# Altium PCB DISCARD_ESP32-DevKit-iteration3.PcbDoc (continued)
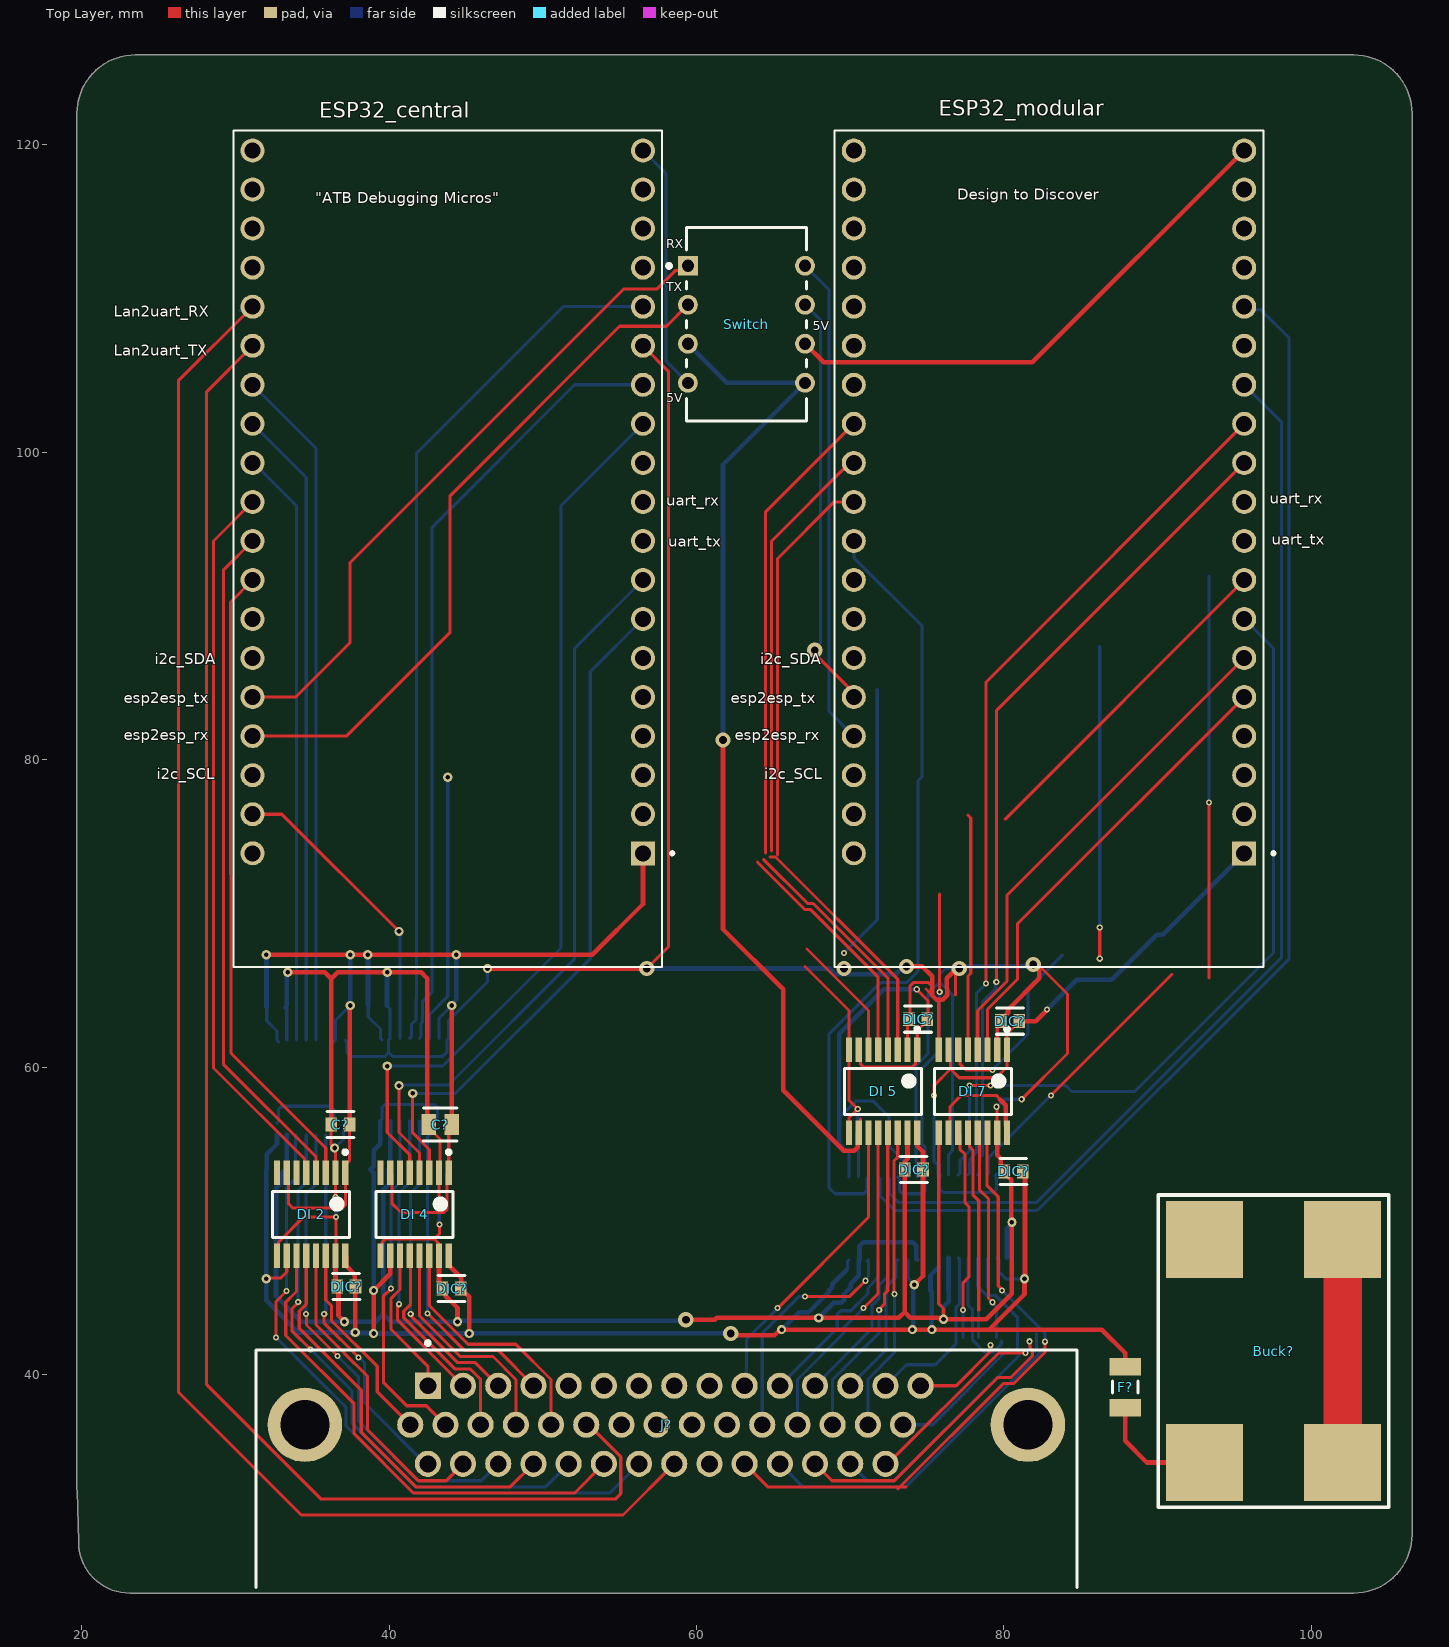
[diagram p0: Top Layer view]
## Nets (pads, with @x,y where several pads share a name; then routed paths per layer and width w, separated by ;. In a path a pad name is that pad's centre, name@x,y a point inside that pad or via, vN(x,y) a via of type N, cw(c..) or ccw(c..) an arc to the next point about the centre after c; other vN are vias at no path point)
GND: "DI 1.2" "DI 1.8" "DI 1.9" "DI 1.15" "DI 2.2" "DI 2.8" "DI 2.9" "DI 2.15" "DI 3.2" "DI 3.8" "DI 3.9" "DI 3.15" "DI 4.2" "DI 4.8" "DI 4.9" "DI 4.15" "DI 5.2" "DI 5.8" "DI 5.9" "DI 5.15" "DI 6.2" "DI 6.8" "DI 6.9" "DI 6.15" "DI 7.2" "DI 7.8" "DI 7.9" "DI 7.15" "DI 8.2" "DI 8.8" "DI 8.9" "DI 8.15" Buck?.2 Buck?.4 C?.2 DIC?.2 ESP32_central.J2-14 J?.7 J?.23 | length 391
  Top Layer w0.2: 32.703,47.719 32.808,47.824 32.808,48.618 34.449,50.26 v1(36.544,50.26) 36.544,47.751 36.512,47.719 ; C?.2@36.23,56.261 36.23,54.956 v2(36.449,54.737) 36.512,54.673 36.512,53.119 36.518,53.114 v1(36.518,51.538) ; 39.433,47.719 39.539,47.824 39.539,48.618 39.739,48.819 42.938,48.819 ; 39.433,53.119 39.433,53.714 ; C?.2@42.569,56.261 42.569,56.061 43.307,55.323 43.307,53.182 43.243,53.119 ; v1(43.249,51.03) 43.249,52.606 ; 43.275,47.719 43.275,48.477 43.114,48.639 43.114,48.643 42.938,48.819 ; v1(43.275,49.752) 43.275,49.156 42.938,48.819 ; ESP32_central.J2-14 58.166,105.283 58.166,67.818 v3(56.769,66.421) ; 67.056,66.548 69.913,63.691 69.913,61.12 69.913,57.848 v1(70.486,57.276) 69.913,56.704 69.913,55.72 ; 73.724,61.12 73.724,63.02 73.822,63.119 73.875,63.172 73.875,65.254 74.138,65.517 75.06,65.517 75.335,65.242 ; 74.93,65.082 75.301,64.711 ; 75.613,64.398 75.615,64.397 75.727,64.285 ; 75.727,64.447 75.727,64.397 75.727,64.285 ; 75.755,61.12 75.755,64.228 75.727,64.256 75.727,64.285 ; 75.861,55.825 75.755,55.72 75.755,44.607 76.067,44.295 v2(76.067,43.592) ; 76.835,64.701 76.835,66.167 v3(77.089,66.421) ; v1(79.52,57.422) 79.543,57.399 79.543,55.743 79.566,55.72 ; 79.566,61.12 79.566,62.766 DIC?.2@79.791,62.992 ; DIC?.2@80.01,53.213 DIC?.2@80.01,53.288 ; v1(81.153,57.912) 84.133,60.892 84.133,64.763 v3@82.348,66.548
  Top Layer w0.3: v2(33.401,66.167) 35.814,66.167 36.23,65.751 ; C?.2@36.23,56.261 36.23,65.751 ; 36.512,47.719 36.512,45.72 36.53,45.72 36.703,45.547 36.703,43.819 37.08,43.442 v2(37.092,43.442) ; C?.2@42.569,56.261 42.487,56.343 42.487,65.786 42.464,65.786 42.083,66.167 v2(39.878,66.167) 36.646,66.167 36.23,65.751 ; 43.243,47.719 43.243,45.38 43.307,45.317 DIC?.2@43.464,45.317 ; DIC?.2@43.469,45.593 43.469,45.317 43.67,45.317 43.694,45.293 43.694,45.092 44.45,44.336 v2(44.45,43.434) ; v2(46.397,66.421) v3(56.769,66.421) ; J?.7@56.259,39.189 J?.7 ; J?.23@57.136,37.001 J?.23 ; v3(59.309,43.561) 61.185,43.561 61.312,43.688 v2(67.945,43.688) 73.152,43.688 73.533,44.069 ; v3(73.66,66.548) 74.693,66.548 75.335,65.906 75.335,65.242 75.335,65.12 75.319,65.104 75.319,64.69 75.612,64.397 75.615,64.397 75.727,64.397 76.026,64.397 76.319,64.69 76.319,65.104 76.269,65.154 76.269,65.772 76.918,66.421 v3(77.089,66.421) ; 73.724,55.466 73.724,54.038 73.533,53.848 73.533,53.34 73.533,44.069 ; v2@76.01,43.649 75.798,43.649 75.759,43.688 73.914,43.688 73.533,44.069 ; v2(76.067,43.592) 78.843,43.592 80.518,45.267 80.518,49.878 80.485,49.911 80.485,52.663 80.01,53.138 DIC?.2@80.01,53.213 ; 79.566,55.466 79.566,54.274 79.785,54.054 79.785,53.513 DIC?.2@80.01,53.288 ; DIC?.2@79.791,62.992 79.791,63.067 80.266,63.542 80.266,63.748 82.296,65.778 82.296,66.294
  Top Layer w2.5: Buck?.4 Buck?.2
  Bottom Layer w0.2: DIC?.2@33.239,63.881 33.337,63.782 33.337,61.755 ; v2(36.449,54.737) 37.042,55.33 37.042,56.25 37.148,56.355 ; v1(36.518,51.538) 36.531,51.525 36.531,50.273 v1(36.544,50.26) ; 37.148,61.755 37.253,61.65 37.253,60.95 37.497,60.706 39.727,60.706 39.971,60.95 ; DIC?.2@39.843,64.008 40.069,63.782 40.069,61.882 39.971,61.785 39.971,60.95 ; v1(43.249,51.03) 43.262,51.017 43.262,49.765 v1(43.275,49.752) ; v2(46.397,66.421) 46.397,65.558 43.878,63.04 43.878,61.882 43.773,61.777 43.773,60.983 43.497,60.706 40.215,60.706 39.971,60.95 ; DIC?.2@70.485,55.118 70.549,55.054 70.549,52.865 ; DIC?.2@70.486,55.119 v1(70.486,57.276) ; 74.358,52.865 74.276,52.947 74.276,60.1 75.057,60.881 75.057,64.77 75.369,65.082 75.369,65.083 75.633,65.347 75.634,65.347 75.736,65.449 ; DIC?.2@76.391,45.494 DIC?.2@76.419,45.466 ; 76.391,52.992 76.391,54.308 76.638,54.555 76.638,55.626 76.638,64.713 76.269,65.082 76.269,65.083 76.005,65.347 76.004,65.347 75.819,65.532 75.819,66.04 76.2,66.421 v3(77.089,66.421) ; v1(79.52,57.422) 80.01,57.912 v1(81.153,57.912)
  Bottom Layer w0.3: DIC?.2@33.239,63.881 33.344,63.986 33.344,66.11 v2(33.401,66.167) ; 33.337,55.593 33.337,53.439 33.239,53.34 33.014,53.115 33.014,52.502 32.639,52.127 32.639,45.085 34.29,43.434 v2@37.084,43.434 ; v2(37.092,43.442) v2@37.084,43.434 ; DIC?.2@39.843,64.008 39.86,64.026 39.86,66.149 v2(39.878,66.167) ; DIC?.2@39.97,53.34 39.97,52.379 39.624,52.033 39.624,43.942 ; DIC?.2@40.069,53.34 40.069,56.482 ; v3(56.769,66.421) 68.645,66.421 69.026,66.04 72.963,66.04 73.471,66.548 v3(73.66,66.548) ; v3(59.309,43.561) 59.239,43.491 44.507,43.491 v2(44.45,43.434) 40.132,43.434 39.624,43.942 ; v2(67.945,43.688) 68.923,44.666 69.424,44.666 69.59,44.832 69.59,45.241 69.815,45.466 70.04,45.691 70.04,45.91 70.549,46.419 70.549,47.465 70.604,47.52 70.604,48.385 70.834,48.615 74.073,48.615 74.303,48.385 74.303,47.52 74.358,47.465 ; v2(76.067,43.592) 76.067,44.408 76.401,44.742 76.401,45.448 DIC?.2@76.419,45.466 ; DIC?.2@76.391,45.494 76.391,47.592 ; v3(77.089,66.421) 77.216,66.548 81.599,66.548 81.726,66.675 v3(81.915,66.675) ; 80.2,47.592 80.2,49.512 80.518,49.83 v2(80.518,49.911) ; v2@37.084,43.434 39.116,43.434 39.624,43.942
  other v3: 69.596,66.421
NetBuck?_1: Buck?.1 J?.6 J?.22 | length 0.2
  Top Layer w0.5: J?.22@54.955,36.892 J?.22
NetBuck?_3: Buck?.3 F?.1 | length 7.9
  Top Layer w0.3: F?.1 87.884,35.687 89.292,34.279 Buck?.3
NetC?_1: "DI 1.1" "DI 1.7" "DI 2.1" "DI 2.7" "DI 3.1" "DI 3.7" "DI 4.1" "DI 4.7" C?.1 DIC?.1@32.039,63.881 DIC?.1@38.643,64.008 ESP32_central.J2-1 | length 91.6
  Top Layer w0.2: 33.337,53.119 33.443,53.014 33.443,51.136 33.748,50.83 36.947,50.83 37.148,51.031 37.148,53.119 37.148,53.714 37.253,53.819 37.309,53.819 37.43,53.94 37.43,56.261 C?.1@37.465,56.296 ; 40.014,53.174 40.069,53.119 40.174,53.014 40.174,51.14 40.767,50.546 43.561,50.546 43.773,50.758 43.773,53.014 43.878,53.119 43.878,56.07 C?.1@44.069,56.261
  Top Layer w0.3: v2(32.004,67.31) v2(37.465,67.31) v2(38.608,67.31) v2(44.365,67.31) 53.213,67.31 56.515,70.612 ESP32_central.J2-1 ; C?.1@37.465,56.296 37.447,56.314 37.447,63.99 v2(37.465,64.008) ; C?.1@44.069,56.261 v2(44.069,64.008)
  Bottom Layer w0.2: DIC?.1@32.039,63.881 32.039,63.013 32.703,62.35 32.703,61.755 32.808,61.65 ; 36.407,61.65 36.512,61.755 36.512,63.055 v2(37.465,64.008) ; DIC?.1@38.643,64.008 38.643,63.267 39.433,62.477 39.433,61.882 39.539,61.777 ; 43.243,61.882 43.243,63.182 v2(44.069,64.008)
  Bottom Layer w0.3: v2(32.004,67.31) 32.022,67.292 32.022,63.899 DIC?.1@32.039,63.881 ; v2(37.465,64.008) v2(37.465,67.31) ; v2(38.608,67.31) 38.626,67.292 38.626,64.026 DIC?.1@38.643,64.008 ; v2(44.069,64.008) 44.069,64.089 44.365,64.385 v2(44.365,67.31)
"NetDI 1_3": "DI 1.3" ESP32_central.J3-11 | length 38.8
  Bottom Layer w0.2: ESP32_central.J3-11 31.178,99.314 33.972,96.52 33.972,61.755
"NetDI 1_4": "DI 1.4" ESP32_central.J3-12 | length 41.5
  Bottom Layer w0.2: ESP32_central.J3-12 34.607,98.362 34.607,97.79 34.607,61.755
"NetDI 1_5": "DI 1.5" ESP32_central.J3-13 | length 44.3
  Bottom Layer w0.2: ESP32_central.J3-13 35.242,100.266 35.242,61.755
"NetDI 1_10": "DI 1.10" "DI 1.16" "DI 2.10" "DI 2.16" "DI 3.10" "DI 3.16" "DI 4.10" "DI 4.16" "DI 5.10" "DI 5.16" "DI 6.10" "DI 6.16" "DI 7.10" "DI 7.16" "DI 8.10" "DI 8.16" DIC?.1@32.039,53.34 DIC?.1@37.811,45.72 DIC?.1@38.77,53.34 DIC?.1@44.669,45.593 DIC?.1@68.615,45.466 DIC?.1@74.733,53.34 DIC?.1@75.219,45.466 DIC?.1@81.21,53.213 F?.2 Switch.3 Switch.5 | length 226.1
  Top Layer w0.2: v2@32.047,46.271 32.936,46.271 33.337,46.672 33.337,47.719 ; 70.549,55.72 70.654,55.825 70.654,56.619 ; 76.391,55.72 76.496,55.825 76.496,57.446 77.216,58.166 79.502,58.166 79.737,57.931 ; 80.2,55.72 80.2,56.283
  Top Layer w0.3: v2(32.004,46.228) v2@32.047,46.271 ; 37.148,47.719 37.203,47.664 37.203,47.069 37.765,46.506 37.765,45.67 37.785,45.532 37.801,45.515 37.801,42.754 v2(37.79,42.743) ; v2(38.989,42.672) v2(38.989,45.466) 40.069,46.545 40.069,47.719 ; 43.878,47.719 43.878,47.124 44.704,46.299 DIC?.1@44.704,45.593 ; DIC?.1@44.669,45.593 44.669,45.518 44.894,45.293 44.969,45.293 45.212,45.05 v2(45.212,42.672) ; v3(61.722,81.28) 61.722,68.978 65.635,65.065 65.635,58.499 69.564,54.57 70.263,54.57 70.493,54.8 70.493,55.72 ; v3(62.23,42.672) 62.23,42.558 62.243,42.545 65.07,42.545 65.451,42.926 v2(65.532,42.926) v2(74.041,42.926) v2(75.311,42.926) 79.028,42.926 ; v2(74.168,45.847) 74.733,46.412 74.733,53.34 74.733,54.497 74.358,54.871 74.358,55.466 ; 79.727,57.922 80.121,57.528 80.121,56.197 ; DIC?.1@81.21,53.213 81.369,53.054 v2@81.369,46.367 ; v2(81.334,46.228) 81.334,45.232 79.028,42.926 ; F?.2 87.884,41.402 86.36,42.926 79.028,42.926
  Bottom Layer w0.2: 32.703,56.355 32.808,56.46 32.808,57.254 33.008,57.455 36.207,57.455 36.407,57.254 36.407,56.46 36.512,56.355 ; 39.433,56.482 39.539,56.587 39.539,57.381 39.739,57.582 42.938,57.582 43.138,57.381 43.138,56.587 43.243,56.482 ; DIC?.1@68.615,45.391 DIC?.1@68.615,45.466 ; 69.808,46.868 69.808,47.36 69.913,47.465 ; 73.724,47.465 73.758,47.43 73.758,46.286 74.168,45.876 v2(74.168,45.847) v2@74.105,45.783 ; v2(74.041,42.926) v2@74.105,42.989 ; DIC?.1@75.219,45.466 DIC?.1@75.311,45.374 ; 75.755,46.997 75.755,47.592 ; 79.566,47.592 79.671,47.487 79.671,46.693 80.135,46.228 v2(81.334,46.228)
  Bottom Layer w0.3: 32.703,55.593 32.703,54.998 32.039,54.335 32.039,53.34 32.004,53.305 v2(32.004,46.228) 32.004,44.831 34.097,42.738 v2@37.785,42.738 ; v2@37.817,42.705 38.956,42.705 v2(38.989,42.672) v2(45.212,42.672) 45.225,42.685 v3@61.907,42.685 ; v2(38.989,45.466) 38.989,53.121 38.77,53.34 38.989,53.559 38.989,54.586 39.346,54.943 39.378,54.943 39.433,54.998 39.433,56.482 ; Switch.3 61.976,104.521 Switch.5 61.722,99.187 v3(61.722,81.28) ; v2(65.532,42.926) 66.665,44.059 67.283,44.059 DIC?.1@68.615,45.391 ; DIC?.1@68.615,45.466 68.84,45.691 68.84,45.882 69.773,46.815 ; v2@74.105,42.989 v2@74.105,45.783 ; DIC?.1@75.219,45.466 75.219,46.461 75.755,46.997 ; v2(75.311,42.926) DIC?.1@75.311,45.374
"NetDI 1_11": "DI 1.11" J?.31 | length 24.4
  Top Layer w0.2: v1(35.774,43.934) 35.774,43.346 v1(38.001,41.118)
  Bottom Layer w0.2: v1(35.774,43.934) 35.774,43.988 35.877,44.092 35.877,55.593 ; v1(38.001,41.118) 38.038,41.118 38.394,40.762 38.394,38.157 42.358,34.193 J?.31
"NetDI 1_12": "DI 1.12" J?.33 | length 31.4
  Top Layer w0.2: v1(34.602,43.942) 34.621,43.923 34.621,43.229 v1(36.637,41.213)
  Bottom Layer w0.2: v1(34.602,43.942) 34.602,51.747 35.242,52.387 35.242,55.593 ; v1(36.637,41.213) 37.994,39.856 37.994,37.002 41.903,33.093 45.999,33.093 J?.33
"NetDI 1_13": "DI 1.13" J?.35 | length 37.2
  Top Layer w0.2: v1(34.083,44.715) 34.083,44.669 33.674,44.26 33.674,42.847 v1(34.895,41.626)
  Bottom Layer w0.2: v1(34.083,44.715) 34.083,51.99 34.608,52.514 34.608,55.593 ; v1(34.895,41.626) 37.594,38.927 37.594,36.836 41.737,32.693 50.179,32.693 J?.35
"NetDI 1_14": "DI 1.14" J?.37 | length 43
  Top Layer w0.2: v1(32.639,42.418) 32.639,44.746 v1(33.325,45.433)
  Bottom Layer w0.2: v1(32.639,42.418) 35.094,39.963 37.194,37.863 37.194,36.67 41.571,32.293 54.359,32.293 J?.37 ; v1(33.325,45.433) 33.325,52.177 33.914,52.766 33.914,55.534 33.972,55.593
"NetDI 2_3": "DI 2.3" ESP32_central.J3-8 | length 41.7
  Top Layer w0.2: ESP32_central.J3-8 29.685,90.264 29.685,84.078 ccw(c31.115,84.074) 29.685,84.073 29.718,60.902 29.777,60.844 35.877,54.743 35.877,53.119
"NetDI 2_4": "DI 2.4" ESP32_central.J3-9 | length 44.4
  Top Layer w0.2: ESP32_central.J3-9 29.21,92.329 29.21,60.198 35.242,54.165 35.242,53.119
"NetDI 2_5": "DI 2.5" ESP32_central.J3-10 | length 47.2
  Top Layer w0.2: ESP32_central.J3-10 28.575,94.234 28.575,93.853 28.575,59.946 34.502,54.018 34.502,53.224 34.608,53.119
"NetDI 2_11": "DI 2.11" J?.36 | length 32.3
  Top Layer w0.2: 33.972,47.719 33.972,45.402 33.274,44.704 33.274,42.545 37.72,38.099 37.72,36.145 41.571,32.293 52.069,32.293 J?.36
"NetDI 2_12": "DI 2.12" J?.34 | length 26.6
  Top Layer w0.2: 34.608,47.719 34.608,44.584 34.152,44.128 34.152,43.005 38.186,38.971 38.186,36.244 41.737,32.693 47.889,32.693 J?.34
"NetDI 2_13": "DI 2.13" J?.32 | length 20.7
  Top Layer w0.2: 35.242,47.719 35.242,43.244 37.087,41.399 37.087,41.396 38.587,39.897 38.587,36.409 41.903,33.093 43.709,33.093 J?.32
"NetDI 2_14": "DI 2.14" J?.16 | length 13.3
  Top Layer w0.2: 35.877,47.719 35.877,44.855 36.253,44.48 36.253,43.503 39.224,40.532 39.224,38.883 J?.16
"NetDI 3_3": "DI 3.3" ESP32_central.J3-2 | length 19.7
  Top Layer w0.2: ESP32_central.J3-2 33.02,76.454 v2(40.64,68.834)
  Bottom Layer w0.2: v2(40.64,68.834) 40.703,68.77 40.703,61.882
"NetDI 3_4": "DI 3.4" ESP32_central.J2-15 | length 56.9
  Bottom Layer w0.2: 41.338,61.882 41.444,61.987 41.444,62.674 41.468,62.699 41.468,62.806 41.759,63.096 41.759,64.424 41.783,64.448 41.783,99.949 51.308,109.474 ESP32_central.J2-15
"NetDI 3_5": "DI 3.5" ESP32_central.J2-13 | length 51.1
  Bottom Layer w0.2: 41.974,61.882 42.079,61.987 42.079,62.851 42.159,62.931 42.159,64.258 42.799,64.898 42.799,95.131 52.062,104.394 ESP32_central.J2-13
"NetDI 3_11": "DI 3.11" J?.4 | length 21.4
  Top Layer w0.2: v1(42.503,43.967) 44.897,41.573 47.089,41.573 J?.4
  Bottom Layer w0.2: v1(42.503,43.967) 42.503,54.776 42.503,55.488 42.608,55.593 42.608,56.482
"NetDI 3_12": "DI 3.12" J?.3 | length 20.5
  Top Layer w0.2: v1(41.403,43.941) 41.441,43.903 41.441,43.788 44.456,40.773 45.599,40.773 J?.3
  Bottom Layer w0.2: 41.402,47.944 41.402,51.816 41.974,52.387 41.974,56.482 ; v1(41.403,43.941) 41.403,47.943
"NetDI 3_13": "DI 3.13" J?.2 | length 19.3
  Top Layer w0.2: v1(40.64,44.577) 40.64,44.523 40.553,44.436 40.553,43.529 J?.2
  Bottom Layer w0.2: v1(40.64,44.577) 40.64,51.816 41.338,52.514 41.338,56.482
"NetDI 3_14": "DI 3.14" J?.17 | length 22.6
  Top Layer w0.2: v1(40.131,45.594) v1(40.131,45.594) 39.624,45.085 39.624,39.497 41.148,37.973 42.424,37.973 J?.17
  Bottom Layer w0.2: v1@40.132,45.594 40.132,51.904 40.703,52.476 40.703,56.482
"NetDI 4_3": "DI 4.3" ESP32_central.J2-7 | length 44.3
  Top Layer w0.2: v2(41.529,58.293) 41.529,55.727 42.608,54.647 42.608,53.119
  Bottom Layer w0.2: v2(41.529,58.293) 44.323,58.293 53.086,67.056 53.086,85.725 ESP32_central.J2-7
"NetDI 4_4": "DI 4.4" ESP32_central.J2-8 | length 47.6
  Top Layer w0.2: v2(40.64,58.801) 40.64,55.753 41.974,54.419 41.974,53.119
  Bottom Layer w0.2: v2(40.64,58.801) 40.682,58.843 43.857,58.843 52.07,67.056 52.07,87.249 ESP32_central.J2-8
"NetDI 4_5": "DI 4.5" ESP32_central.J2-12 | length 58.4
  Top Layer w0.2: v2(39.878,60.071) 39.878,55.753 41.338,54.292 41.338,53.119
  Bottom Layer w0.2: v2(39.878,60.071) 43.497,60.071 51.181,67.755 51.181,96.52 ESP32_central.J2-12
"NetDI 4_11": "DI 4.11" J?.1 | length 9.7
  Top Layer w0.2: 40.703,47.719 40.703,45.529 40.132,44.958 40.132,42.926 42.519,40.539 J?.1
"NetDI 4_12": "DI 4.12" J?.18 | length 13.8
  Top Layer w0.2: 41.338,47.719 41.402,47.656 41.402,44.577 40.953,44.128 40.953,43.695 44.275,40.373 45.265,40.373 45.954,39.684 J?.18
"NetDI 4_13": "DI 4.13" J?.19 | length 14.8
  Top Layer w0.2: 41.974,47.719 41.974,43.821 44.621,41.173 46.755,41.173 48.244,39.684 J?.19
"NetDI 4_14": "DI 4.14" J?.20 | length 16.3
  Top Layer w0.2: 42.608,47.719 42.608,44.498 45.133,41.973 48.245,41.973 50.534,39.684 J?.20 J?.20@50.373,36.733
"NetDI 5_1": "DI 5.1" "DI 5.7" "DI 6.1" "DI 6.7" "DI 7.1" "DI 7.7" "DI 8.1" "DI 8.7" DIC?.1@69.285,55.118 DIC?.1@75.022,63.119 DIC?.1@75.438,55.626 DIC?.1@80.991,62.992 ESP32_modular.J2-1 | length 75.7
  Top Layer w0.2: 70.549,61.12 70.654,61.015 70.654,60.221 70.854,60.02 74.053,60.02 74.253,60.221 74.253,61.015 74.358,61.12 74.358,62.381 75.022,63.044 75.022,63.119 75.057,63.154 75.057,64.316 74.325,65.048 v1(74.325,65.067) ; v1(75.438,58.166) 75.466,58.194 75.466,58.823 76.52,59.878 ; 76.391,61.12 76.496,61.015 76.496,60.328 76.52,60.303 76.52,59.878 ; DIC?.1@80.991,62.992 80.991,62.917 80.716,62.642 80.69,62.642 80.2,62.152 80.2,61.12 80.2,60.008 79.502,59.309 77.089,59.309 76.52,59.878
  Top Layer w0.3: DIC?.1@80.991,62.992 82.069,62.992 82.804,63.727 v1(82.804,63.754)
  Bottom Layer w0.2: DIC?.1@69.285,55.193 69.285,55.118 69.285,55.043 69.913,54.415 69.913,52.865 ; 69.285,56.712 70.358,57.785 71.501,57.785 72.517,56.769 72.517,54.866 73.593,53.789 73.593,53.682 73.618,53.657 73.618,52.97 73.724,52.865 ; v1(75.438,58.166) 75.438,55.626 75.438,53.904 75.755,53.587 ; 75.811,52.937 75.811,52.072 76.041,51.842 79.28,51.842 79.51,52.072 79.51,52.937
  Bottom Layer w0.3: DIC?.1@69.285,55.193 69.285,56.712 69.285,62.173 72.179,65.067 v1(74.325,65.067) ; 75.755,53.587 75.755,52.992 75.811,52.937 ; 79.51,52.937 79.566,52.992 ; v1(82.804,63.754) 84.727,65.677 87.013,65.677 89.938,68.602 90.319,68.602 ESP32_modular.J2-1
"NetDI 5_3": "DI 5.3" ESP32_modular.J3-10 | length 42
  Top Layer w0.2: 64.77,73.667 65.133,73.667 73.088,65.712 73.088,61.12 ; 65.278,73.794 65.278,93.091 68.961,96.774 ESP32_modular.J3-10
"NetDI 5_4": "DI 5.4" ESP32_modular.J3-11 | length 43.6
  Top Layer w0.2: 64.37,73.502 67.226,70.645 67.59,70.645 72.453,65.782 72.453,61.12 ; 64.878,74.067 64.878,94.215 69.977,99.314 ESP32_modular.J3-11
"NetDI 5_5": "DI 5.5" ESP32_modular.J3-12 | length 46
  Top Layer w0.2: 63.97,73.336 67.061,70.245 67.424,70.245 71.819,65.851 71.819,61.12 ; 64.478,73.941 64.478,96.101 ESP32_modular.J3-12
"NetDI 5_11": "DI 5.11" J?.10 | length 19.5
  Top Layer w0.2: v1(65.277,44.324) 71.183,50.23 71.183,55.466
  Bottom Layer w0.2: J?.10 63.245,39.389 63.245,42.292 v1(65.277,44.324)
"NetDI 5_12": "DI 5.12" J?.27 | length 20.9
  Top Layer w0.2: v1(70.866,44.323) 71.819,45.276 71.819,55.466
  Bottom Layer w0.2: J?.27 66.564,39.684 69.553,42.672 69.553,43.01 v1(70.866,44.323)
"NetDI 5_13": "DI 5.13" J?.28 | length 20.2
  Top Layer w0.2: v1(71.882,44.196) 71.882,44.23 72.218,44.567 72.218,45.229 72.438,45.448 72.438,55.451 72.453,55.466
  Bottom Layer w0.2: J?.28 68.854,39.684 71.882,42.712 v1(71.882,44.196)
"NetDI 5_14": "DI 5.14" J?.29 | length 19.6
  Top Layer w0.2: v1@72.838,45.272 72.838,53.895 73.088,54.145 73.088,55.466
  Bottom Layer w0.2: J?.29 71.144,39.684 72.872,41.411 72.872,45.238 v1@72.838,45.272
  other v1: 72.872,45.245
"NetDI 6_3": "DI 6.3" ESP32_modular.J3-9 | length 51.1
  Bottom Layer w0.2: ESP32_modular.J3-9 70.231,93.151 74.664,88.718 74.664,78.896 74.41,78.642 74.41,66.237 73.69,65.517 71.993,65.517 68.61,62.134 68.61,52.167 69.012,51.765 70.878,51.765 71.078,51.966 71.078,52.76 71.183,52.865
"NetDI 6_4": "DI 6.4" ESP32_modular.J2-15 | length 79.2
  Bottom Layer w0.2: 71.819,52.865 71.924,52.76 71.924,51.647 72.898,50.673 82.162,50.673 98.552,67.063 98.552,107.442 96.711,109.283 95.822,109.283 ESP32_modular.J2-15
"NetDI 6_5": "DI 6.5" ESP32_modular.J2-13 | length 71.7
  Bottom Layer w0.2: 72.453,52.865 72.559,52.76 72.559,51.774 73.152,51.181 82.105,51.181 98.044,67.12 98.044,101.981 ESP32_modular.J2-13
"NetDI 6_11": "DI 6.11" J?.13 | length 9.5
  Bottom Layer w0.2: J?.13 72.332,41.606 72.332,45.714 72.983,46.365 72.983,47.36 73.088,47.465
"NetDI 6_12": "DI 6.12" J?.12 | length 10.2
  Bottom Layer w0.2: J?.12 71.408,42.972 71.408,44.484 71.882,44.958 71.882,45.829 72.453,46.401 72.453,47.465
"NetDI 6_13": "DI 6.13" J?.11 | length 11.2
  Bottom Layer w0.2: J?.11 69.153,43.007 69.153,43.919 69.385,44.151 70.039,44.151 71.158,45.271 71.158,45.63 71.482,45.954 71.482,45.995 71.819,46.331 71.819,47.465
"NetDI 6_14": "DI 6.14" J?.26 | length 15.7
  Top Layer w0.2: v1(67.056,45.085) 69.977,45.085 v1(70.993,46.101)
  Bottom Layer w0.2: J?.26 64.274,39.89 64.274,40.017 64.274,42.684 66.675,45.085 v1(67.056,45.085) ; v1(70.993,46.101) 70.993,46.155 71.183,46.346 71.183,47.465 71.078,47.36
"NetDI 7_3": "DI 7.3" ESP32_modular.J2-5 | length 29.9
  Top Layer w0.2: 78.93,61.12 78.93,63.758 80.886,65.714 80.886,69.329 ESP32_modular.J2-5
"NetDI 7_4": "DI 7.4" ESP32_modular.J2-6 | length 32.7
  Top Layer w0.2: 78.295,61.12 78.295,63.689 80.2,65.594 80.2,71.183 ESP32_modular.J2-6
"NetDI 7_5": "DI 7.5" ESP32_modular.J2-8 | length 37.4
  Top Layer w0.2: 77.66,61.12 77.66,65.932 77.839,66.11 77.839,76.212 77.66,76.391 ; 80.073,76.136 ESP32_modular.J2-8
"NetDI 7_11": "DI 7.11" J?.15 | length 19.6
  Top Layer w0.2: J?.15 76.892,39.273 79.083,41.464 79.083,41.872 v1(79.121,41.91) ; 77.025,55.72 77.131,55.615 77.131,54.668 77.47,54.328 77.47,51.181 77.724,50.927 77.724,46.355 77.343,45.974 v1(77.343,44.196)
  Bottom Layer w0.2: 77.336,42.412 77.336,44.189 v1(77.343,44.196)
"NetDI 7_12": "DI 7.12" J?.44 | length 25.7
  Top Layer w0.2: J?.44 72.45,34.193 79.659,41.402 v1(81.407,41.402) ; 77.66,55.72 77.766,55.615 77.766,54.821 77.978,54.608 77.978,51.689 78.359,51.308 78.359,44.196
  Bottom Layer w0.2: 78.352,42.412 78.352,44.189 78.359,44.196
"NetDI 7_13": "DI 7.13" J?.42 | length 32.7
  Top Layer w0.2: J?.42 68.809,33.093 72.871,33.093 79.586,39.808 80.449,39.808 81.857,41.216 81.857,41.588 81.699,41.746 81.699,42.126 v1(81.661,42.164) ; 78.295,55.72 78.401,55.615 78.401,52.028 78.994,51.435 78.994,44.958 v1(79.248,44.704)
  Bottom Layer w0.2: v1@79.248,44.65 79.502,44.396 79.502,42.418
"NetDI 7_14": "DI 7.14" J?.40 | length 40.2
  Top Layer w0.2: J?.40 64.629,32.693 73.614,32.693 ; 73.106,32.566 79.948,39.408 80.615,39.408 82.677,41.47 v1(82.677,42.137) ; 78.93,55.72 78.906,55.695 78.906,52.285 79.629,51.562 79.629,45.774 79.883,45.52 v1(79.883,45.466)
  Bottom Layer w0.2: v1(79.883,45.466) 82.677,42.672 v1(82.677,42.137)
"NetDI 8_3": "DI 8.3" ESP32_modular.J2-7 | length 52.3
  Top Layer w0.2: v1(77.763,58.801) v1(79.121,58.801)
  Bottom Layer w0.2: 77.025,52.992 77.131,53.097 77.131,53.784 77.155,53.809 77.155,53.961 77.763,54.568 v1(77.763,58.801) ; v1(79.121,58.801) 84.013,58.801 84.394,58.42 88.519,58.42 97.536,67.437 97.536,87.249 ESP32_modular.J2-7
"NetDI 8_4": "DI 8.4" ESP32_modular.J2-12 | length 56.3
  Top Layer w0.2: v1(78.839,65.435) 78.839,85.062 ESP32_modular.J2-12
  Bottom Layer w0.2: 77.66,52.992 77.766,53.097 77.766,53.784 77.79,53.809 77.79,54.03 78.213,54.452 78.213,64.809 v1(78.839,65.435)
"NetDI 8_5": "DI 8.5" ESP32_modular.J2-11 | length 53.5
  Top Layer w0.2: v1(79.502,65.532) 79.502,83.185 ESP32_modular.J2-11
  Bottom Layer w0.2: 78.295,52.992 78.401,53.097 78.401,53.784 78.425,53.809 78.425,54.099 78.613,54.287 78.613,64.262 79.464,65.113 79.464,65.494 v1(79.502,65.532)
"NetDI 8_11": "DI 8.11" J?.41 | length 24.6
  Bottom Layer w0.2: J?.41 66.919,32.693 73.615,32.693 82.544,41.622 ; 78.93,45.658 78.93,47.592 ; 82.036,41.495 82.111,41.57 82.111,42.672
"NetDI 8_12": "DI 8.12" J?.43 | length 22.3
  Bottom Layer w0.2: J?.43 71.099,33.093 72.844,33.093 80.962,41.211 ; 78.295,47.592 78.295,45.727 78.869,45.154 79.434,45.154 80.893,43.695 80.893,41.523
"NetDI 8_13": "DI 8.13" J?.30 | length 16.9
  Bottom Layer w0.2: J?.30 75.357,36.733 80.253,41.629 ; 77.66,47.592 77.66,44.515 77.943,44.232 77.943,42.255 78.738,41.46 79.307,41.46 79.825,41.978 79.825,42.175
"NetDI 8_14": "DI 8.14" J?.14 | length 11.4
  Bottom Layer w0.2: J?.14 73.656,40.64 75.522,40.64 76.893,42.011 76.893,44.382 77.094,44.583 77.094,47.524 77.025,47.592
NetESP32_central_J2-5: ESP32_central.J2-5
NetESP32_central_J2-6: ESP32_central.J2-6
NetESP32_central_J2-9: ESP32_central.J2-9
NetESP32_central_J2-10: ESP32_central.J2-10
NetESP32_central_J2-19: ESP32_central.J2-19 Switch.4 | length 16.3
  Bottom Layer w0.2: ESP32_central.J2-19 58.001,118.148 58.001,105.956 Switch.4
NetESP32_central_J3-3: ESP32_central.J3-3 J?.39
NetESP32_central_J3-4: ESP32_central.J3-4 Switch.2 | length 45.2
  Top Layer w0.2: ESP32_central.J3-4 37.211,81.534 43.972,88.295 43.972,97.185 54.991,108.204 58.039,108.204 Switch.2
NetESP32_central_J3-5: ESP32_central.J3-5 Switch.1 | length 43
  Top Layer w0.2: ESP32_central.J3-5 33.909,84.074 37.465,87.63 37.465,92.837 55.245,110.617 57.404,110.617 58.608,111.821 59.116,111.821 Switch.1
NetESP32_central_J3-6: ESP32_central.J3-6 J?.24
NetESP32_central_J3-14: ESP32_central.J3-14 J?.21 | length 104.5
  Top Layer w0.2: ESP32_central.J3-14 28.125,103.944 28.125,39.344 35.576,31.893 54.714,31.893 55.069,32.248 55.069,34.649 52.985,36.733 J?.21
NetESP32_central_J3-15: ESP32_central.J3-15 J?.38 | length 110.5
  Top Layer w0.2: ESP32_central.J3-15 26.289,104.648 26.289,38.862 34.29,30.861 55.217,30.861 J?.38
  Bottom Layer w0.2: 30.289,109.214 30.855,109.214 ESP32_central.J3-15
NetESP32_modular_J2-9: ESP32_modular.J2-9
NetESP32_modular_J2-10: ESP32_modular.J2-10
NetESP32_modular_J2-19: ESP32_modular.J2-19 Switch.6 | length 34.8
  Top Layer w0.3: Switch.6 68.263,105.854 81.851,105.854 ESP32_modular.J2-19
NetESP32_modular_J3-3: ESP32_modular.J3-3
NetESP32_modular_J3-4: ESP32_modular.J3-4 Switch.8 | length 31.9
  Bottom Layer w0.2: Switch.8 68.618,110.579 68.618,83.147 ESP32_modular.J3-4
NetESP32_modular_J3-5: ESP32_modular.J3-5 Switch.7 | length 27.2
  Top Layer w0.2: v3(67.691,87.122) 67.691,86.906 70.231,84.366 ESP32_modular.J3-5
  Bottom Layer w0.2: Switch.7 68.072,108.585 68.072,87.639 67.691,87.258 v3(67.691,87.122)
NetESP32_modular_J3-6: ESP32_modular.J3-6
NetJ?_5: J?.5
NetJ?_8: J?.8
NetJ?_9: J?.9
NetJ?_25: J?.25
pads on no net: "DI 1.6" "DI 2.6" "DI 3.6" "DI 4.6" "DI 5.6" "DI 6.6" "DI 7.6" "DI 8.6" ESP32_central.J2-2 ESP32_central.J2-3 ESP32_central.J2-4 ESP32_central.J2-11 ESP32_central.J2-16 ESP32_central.J2-17 ESP32_central.J2-18 ESP32_central.J3-1 ESP32_central.J3-7 ESP32_central.J3-16 ESP32_central.J3-17 ESP32_central.J3-18 ESP32_central.J3-19 ESP32_modular.J2-2 ESP32_modular.J2-3 ESP32_modular.J2-4 ESP32_modular.J2-14 ESP32_modular.J2-16 ESP32_modular.J2-17 ESP32_modular.J2-18 ESP32_modular.J3-1 ESP32_modular.J3-2 ESP32_modular.J3-7 ESP32_modular.J3-8 ESP32_modular.J3-13 ESP32_modular.J3-14 ESP32_modular.J3-15 ESP32_modular.J3-16 ESP32_modular.J3-17 ESP32_modular.J3-18 ESP32_modular.J3-19 J?.45 J?.46
copper on no net: | length 143.6
  Top Layer w0.2: v2@43.752,78.93 v2(43.815,78.867) ; 67.183,67.691 71.183,63.691 71.183,61.12 ; v1(75.819,64.897) 75.819,71.247 ; 77.025,61.12 77.131,61.015 77.131,60.221 77.534,59.817 v1(79.248,59.817) ; v1(83.058,58.166) 90.932,66.04 ; v1(86.233,67.056) v1(86.233,69.088) ; 93.345,65.786 v1(93.345,77.216)
  Bottom Layer w0.2: 42.608,61.882 42.608,63.396 43.815,64.603 v2(43.815,78.867) ; v1(69.596,67.437) 71.755,69.596 71.755,84.564 ; 73.088,52.865 73.194,52.76 73.194,51.966 73.394,51.765 74.688,51.765 74.864,51.941 74.864,54.803 74.676,54.991 74.676,59.934 75.819,61.077 v1(75.819,64.897) ; 78.93,52.992 78.984,53.045 78.984,54.092 v1(83.058,58.166) ; v1(79.248,59.817) 81.553,62.122 81.553,65.043 83.82,67.31 ; v1(86.233,69.088) 86.233,87.376 ; v1(93.345,77.216) 93.345,91.948

## Silkscreen, mask and mechanical layers (free items; w line width, h text height)
Top Overlay:
  text "Design to Discover" at 76.962,116.446 h0.72
  text "\"ATB Debugging Micros\"" at 35.179,116.192 h0.72
  text "RX" at 58.039,113.284 h0.6
  text "TX" at 58.039,110.49 h0.6
  text "Lan2uart_RX" at 22.098,108.833 h0.72
  text "5V" at 67.564,107.95 h0.6
  text "Lan2uart_TX" at 22.098,106.293 h0.72
  text "5V" at 58.039,103.251 h0.6
  text "uart_rx" at 97.282,96.641 h0.72
  text "uart_rx" at 58.039,96.514 h0.72
  text "uart_tx" at 97.409,93.974 h0.72
  text "uart_tx" at 58.166,93.847 h0.72
  text "i2c_SDA" at 24.765,86.227 h0.72
  text "i2c_SDA" at 64.135,86.227 h0.72
  text "esp2esp_tx" at 22.733,83.68 h0.72
  text "esp2esp_tx" at 62.23,83.68 h0.72
  text "esp2esp_rx" at 22.733,81.267 h0.72
  text "esp2esp_rx" at 62.484,81.267 h0.72
  text "i2c_SCL" at 24.892,78.734 h0.72
  text "i2c_SCL" at 64.389,78.734 h0.72
Bottom Overlay:
  drawing of 106 lines, arcs and shapes, not listed
  text "MRM" at 92.964,29.337 h1
Mechanical 1:
  lines w0.254: 20.066,32.385 20.066,121.158 20.066,121.92 cw(c23.749,121.92) 23.749,125.603 102.87,125.603 ; 20.066,33.274 20.18,28.976 ccw(c23.375,28.976) 23.375,25.781 102.87,25.781 ; 102.997,25.781 ccw(c102.997,29.464) 106.68,29.464 ; 102.997,125.603 cw(c102.997,121.92) 106.68,121.92 ; 106.68,29.591 106.68,121.793